# Altium PCB Austindetz_CM4_Board_v1.0.PcbDoc (part 1 of 6) (continued)
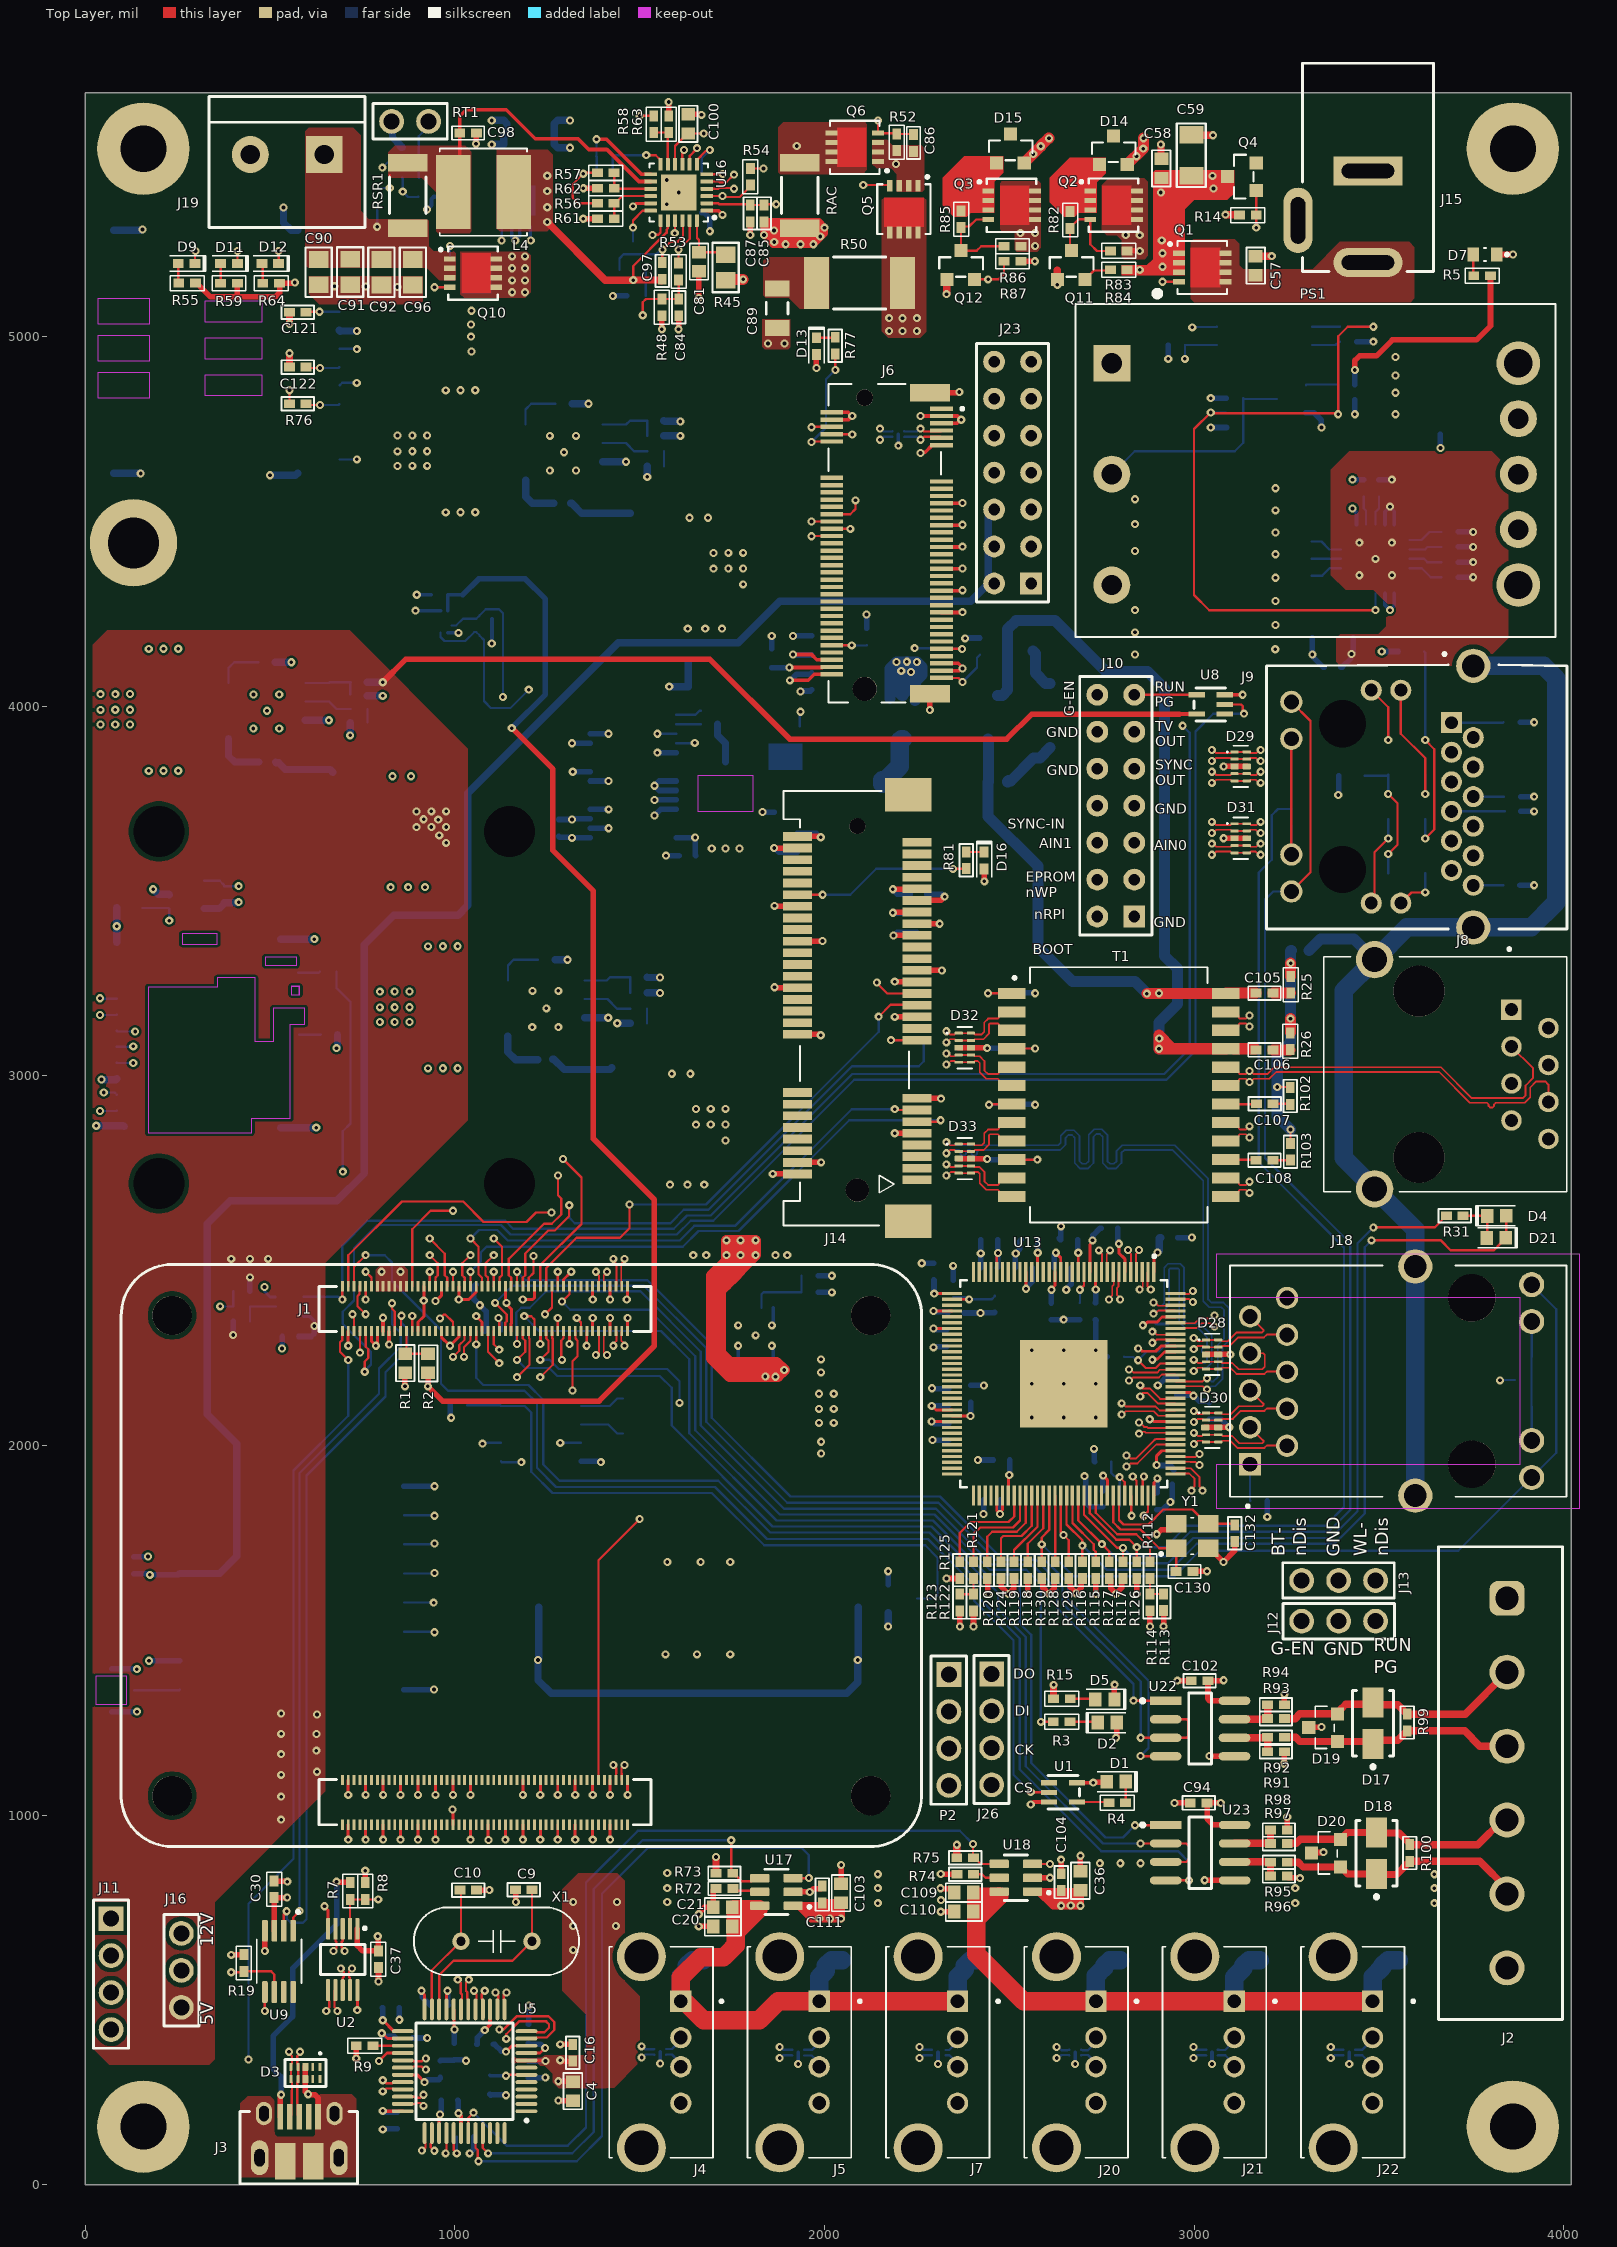
[diagram p0: Top Layer view]
## Components (designator, comment, footprint, x,y, rotation, side; value= is the part's Value field where it differs from the comment) (continued)
C140 "0.1uF" C-0402/1005#1 1279.91,3669.98 r90 bottom value=100nF
C141 "0.1uF" C-0402/1005#1 3859.91,3514.98 r180 bottom value=100nF
C142 "0.1uF" C-0402/1005#1 3862.24,3754.58 r180 bottom value=100nF
C143 "0.1uF" C-0402/1005#1 3860.63,3955.83 r180 bottom value=100nF
C144 "0.1uF" C-0402/1005#1 3862.24,3714.81 r180 bottom value=100nF
C145 "0.1uF" C-0402/1005#1 2501.05,3074.98 r0 bottom value=100nF
C146 "0.1uF" C-0402/1005#1 2509.91,2921.99 r180 bottom value=100nF
C147 "0.1uF" C-0402/1005#1 2507,2773.45 r0 bottom value=100nF
C148 "0.1uF" C-0402/1005#1 3175.91,1848.98 r180 bottom value=100nF
C149 "10uF" C-0805/2012 1842.48,2463.98 r0 bottom
C150 "10uF" C-0805/2012 1707.95,2464.98 r180 bottom
C151 "22uF" C-0805/2012 1939.91,2034.98 r270 bottom
C152 "22uF" C-0805/2012 1940.26,2169.98 r90 bottom
C153 "0.1uF" C-0402/1005#1 959.64,4300.59 r180 bottom value="0.1uF 16V"
CD1 "CD-MMBL110S" CD-MMBL110S 3575.13,3887.59 r180 bottom
CD2 "CD-MMBL110S" CD-MMBL110S 3575.13,3621.19 r180 bottom
Cff1 "Capacitor" C-0402/1005#1 1405.78,5487.49 r180 bottom value=22pF
Cttc "Capacitor" C-1206/3216 1669.91,5391.58 r270 bottom value=0.056uF
D1 "RED" LED-0603-RED 2788.97,1090.64 r0 top
D2 "GREEN" LED-0603-GREEN 2764.84,1250.7 r180 top
D3 "TPD4EUSB30" "10-USON (2.5X1)" 595.78,302.47 r270 top
D4 "YELLOW" LED-0603-RED 3818.75,2621.34 r180 top
D5 "GREEN" LED-0603-GREEN 2758.66,1312.97 r0 top
D6 "BAT54C-7-F" SOT-23-3#1 2249.98,1586.07 r90 bottom
D7 "LTST-C190GKT" LEDC1608X35N 3786.98,5222.23 r180 top
D8 "PTVS58VS1UR,115" DIO_PMEG4030ER,115 3374.91,4184.98 r180 bottom
D9 "LED" LED-0402-GREEN 273.46,5197.45 r0 top
D10 "BAT54" SOT-23-3#1 1481.76,5257.78 r180 bottom
D11 "LED" LED-0402-GREEN 388.32,5197.45 r0 top
D12 "LED" LED-0402-GREEN 499.86,5197.45 r0 top
D13 "GREEN" LED-0402-GREEN 1978.73,4973.61 r90 top
D14 "MMBD4148CC" SOT-23-3#1 2782.38,5543 r0 top
D15 "MMBD4148CC" SOT-23-3#1 2503.66,5547.94 r0 top
D16 "GREEN" LED-0402-GREEN 2432.27,3582.11 r90 top
D17 "SMAJ12CAHE3/5A" VISH-DO-214AC-2_L 3483.85,1248.77 r90 top
D18 "SMAJ12CAHE3/5A" VISH-DO-214AC-2_L 3493.16,897.22 r90 top
D19 "CDSOT23-SM712" SOT-23-3#2 3353.34,1237.4 r90 top
D20 "CDSOT23-SM712" SOT-23-3#2 3361.3,897.81 r90 top
D21 "GREEN" LED-0603-RED 3817.52,2561.85 r0 top
D25 "SMBJ58A-13-F" CR_SM12CA-13-F_DIO 1732.07,3763.35 r90 bottom
D26 "1SMB5933BT3G" ONSC-SMB-2-403A-03_H_V 2609.91,3974.98 r270 bottom
D27 "GREEN" LED-0603-Green 2469.91,3794.98 r180 bottom
D28 "TPD4EUSB30DQAR" IC_TPD4EUSB30DQAR#1 3048.68,2246.31 r0 top
D29 "TPD4EUSB30DQAR" IC_TPD4EUSB30DQAR#1 3125.99,3837.27 r0 top
D30 "TPD4EUSB30DQAR" IC_TPD4EUSB30DQAR#2 3048.91,2048.9 r0 top
D31 "TPD4EUSB30DQAR" IC_TPD4EUSB30DQAR#1 3125.99,3642.83 r0 top
D32 "TPD4EUSB30DQAR" IC_TPD4EUSB30DQAR#1 2379.59,3076.2 r0 top
D33 "TPD4EUSB30DQAR" IC_TPD4EUSB30DQAR#1 2379.59,2776.2 r0 top
F1 "C1S 1.5" C1_BEL 2099.91,3789.98 r0 bottom
FB1 "BLM21PG221SN1D" BEADC2012X105N 3586.86,4148.2 r180 bottom
FB2 "BLM21PG221SN1D" BEADC2012X105N 3426.87,3812.27 r180 bottom
FL1 "PCMF1USB3S" WLCSP5(2-1-2)_NEX 1555.31,359.39 r270 bottom
FL2 "PCMF1USB3S" WLCSP5(2-1-2)_NEX 2678.02,357.78 r270 bottom
FL3 "PCMF1USB3S" WLCSP5(2-1-2)_NEX 1928.7,357.78 r270 bottom
FL4 "PCMF1USB3S" WLCSP5(2-1-2)_NEX 3048.31,357.78 r270 bottom
FL5 "PCMF1USB3S" WLCSP5(2-1-2)_NEX 2199.91,4736.15 r270 bottom
FL8 "PCMF1USB3S" WLCSP5(2-1-2)_NEX 2307.14,357.78 r270 bottom
FL9 "PCMF1USB3S" WLCSP5(2-1-2)_NEX 3419.65,357.78 r270 bottom
J1 "DF40C-100DS-0.4V(51)" RPI-CM4 1179.91,1702.43 r270 top locked
J2 "691311500106" 691311500106 3828.82,1086.71 r270 top locked
J3 "10103594-0001LF" USB-micro 578.93,73.22 r0 top locked
J4 "UE27AE54100" AMPHENOL_UE27AE54100 1504.61,358.64 r270 top locked
J5 "UE27AE54100" AMPHENOL_UE27AE54100 1878.93,358.64 r270 top locked
J6 "2199230-3" TE_2199230-3 2108.85,4440.87 r270 top locked
J7 "UE27AE54100" AMPHENOL_UE27AE54100 2253.24,358.64 r270 top locked
J8 "A-2014-2S-4-N-R" ASSMANN_A-2014-2S-4-N-R 3608.47,3004.41 r90 top locked
J9 "V8BR-1AX1-GH" V8BR1AX1GH 3696.11,3955.46 r90 top locked
J10 "Header 2x7" "PIN HEADER 2X7 2.54MM" 2738.04,3431.11 r90 top locked
J11 "Header 1x4" "PIN HEADER 1X4 2.54MM" 69.93,619.99 r0 top locked
J12 "Header 1x3" "PIN HEADER 1X3 2.54MM" 3390.96,1524.85 r90 top value=51R
J13 "Header 1x3" "PIN HEADER 1X3 2.54MM" 3390.96,1634.85 r270 top value=51R
J14 "679105700" 679105700-A 2088.85,2691.17 r90 top locked
J15 "DCJ200-10-A-K1-K" GCT_DCJ200-10-A-XX-X_REVA 3470.14,5458.22 r180 top locked
J16 "Header 1x3" "PIN HEADER 1x3 2.54mm" 259.91,579.98 r180 top value=51R
J17 "SIM7100-6-1-15-00-A" GCT_SIM7100-6-1-15-00-A_REVC 364.27,4959.1 r90 bottom
J18 "V890-1AX1-A1" BEL_V890-1AX1-A1 3751.43,2174.38 r90 top locked
J19 "T-BLOCK-1x2" "Terminal Block-1x2-5.08mm" 646.58,5492.67 r180 top locked
J20 "UE27AE54100" AMPHENOL_UE27AE54100 2627.56,358.64 r270 top locked
J21 "UE27AE54100" AMPHENOL_UE27AE54100 3001.87,358.64 r270 top locked
J22 "UE27AE54100" AMPHENOL_UE27AE54100 3376.18,358.64 r270 top locked
J23 "Header 2x7" "PIN HEADER 2x7 2.54mm" 2458.85,4332.17 r90 top
J24 "5033981892" MOLEX-503398-1892 306.78,3114.93 r270 bottom
J25 "U.FL-R-SMT-1(10)" HRS_U.FL-R-SMT-1(10) 72.3,1337.88 r270 bottom
J26 "Header 1x4" "PIN HEADER 1x4 2.54mm" 2452.22,1281.96 r0 top locked
L1 "SRN6045TA-3R3Y" IND_SRN6045TA-3R3Y 669.91,3739.98 r90 bottom value=22uH
L2 "SRN6045TA-3R3Y" IND_SRN6045TA-3R3Y 1474.91,4439.98 r90 bottom value=22uH
L3 "SRN6045TA-3R3Y" IND_SRN6045TA-3R3Y 1424.91,2939.98 r90 bottom value=22uH
L4 "Inductor" IND_SRN6045TA-3R3Y 1077.32,5391.05 r180 top value=3.3uH
L5 "ACM7060-301-2PL-TL" IND_ACM7060_TDK 2339.91,3969.98 r0 bottom value=uH
L6 "SWPA3015S2R2MT" SWPA3015S2R2MT 1835.94,2104.98 r0 bottom value=2.2uH
P2 "MHDR1X4" "PIN HEADER 1x4 2.54mm" 2336.65,1280.32 r0 top locked
PS1 "ULS-12/5-D48N-C" CONV_ULS-12/5-D48N-C 3328.44,4637.88 r0 top locked
Q1 "DMP3013SFV-7" POWERDI3333-8_UX_DIO 3022.17,5187.03 r0 top
Q2 "DMT3009LFVWQ-7" POWERDI3333-8_UX_DIO 2782,5355.69 r0 top
Q3 "DMT3009LFVWQ-7" POWERDI3333-8_UX_DIO 2506.15,5355.42 r0 top
Q4 "MMBZ5242BLT3G" SOT-23-3#1 3090.14,5433.1 r90 top
Q5 "SI7617DN-T1-GE3" POWERDI3333-8_UX_DIO 2214.91,5344.98 r270 top
Q6 "SI7617DN-T1-GE3" POWERDI3333-8_UX_DIO 2081.91,5512.19 r180 top
Q7 "SIS412DN-T1-GE3" POWERDI3333-8_UX_DIO 1164.91,5359.98 r90 bottom
Q8 "SIS412DN-T1-GE3" POWERDI3333-8_UX_DIO 1049.91,5169.98 r0 bottom
Q9 "2N7002BK,215" NXP-SOT23_M 3263.03,4831.44 r180 bottom
Q10 "SI7617DN-T1-GE3" POWERDI3333-8_UX_DIO 1049.06,5172.04 r0 top
Q11 "MMBT2222LT1G" SOT-23-3#1 2668.26,5232.71 r0 top
Q12 "MMBT2222LT1G" SOT-23-3#1 2369.36,5232.71 r0 top
Q13 "FDMC3612" MLP8_3P3X3P3_ONS 1894.91,3884.98 r270 bottom value=100V
R1 "0R" R-0603/1608 864.25,2222.58 r270 top
R2 "DNP" R-0603/1608 925.76,2222.14 r270 top value=nf
R3 "1k" R-0402/1005 2642.24,1252.94 r180 top
R4 "1k" R-0402/1005 2792.6,1034.25 r180 top
R5 "24.9K" R-0402/1005 3779.91,5164.98 r180 top value="15k 1%"
R6 "24.9K" R-0402/1005 3458.17,4589.66 r90 bottom value="15k 1%"
R7 "2.2k 1%" R-0402/1005 717.26,793.94 r90 top
R8 "2.2k 1%" R-0402/1005 758.17,793.94 r90 top
R9 "" R-0402/1005 756.66,376.7 r180 top value=2.7K
R10 "63.4R" R-0402/1005 3499.49,4589.66 r90 bottom value="15k 1%"
R11 "1.2K" R-0402/1005 3691.29,4472.22 r0 bottom value="15k 1%"
R12 "10K" R-0402/1005 1959.91,2459.98 r0 bottom value=51R
R13 "20K" R-0402/1005 1959.91,2414.98 r0 bottom value=51R
R14 "12K" R-0402/1005 3144.58,5328.6 r0 top value=51R
R15 "330R" R-0402/1005 2643.05,1315.19 r180 top value=51R
R16 "510k 1%" R-0402/1005 422.04,2417.69 r0 bottom
R17 "510k 1%" R-0402/1005 423.61,2335.49 r180 bottom
R18 "0R" R-0402/1005 1028.6,129.98 r180 bottom value="2.2k 1%"
R19 "36K" R-0402/1005 429.03,600.89 r270 top value=51R
R20 "115k" R-0402/1005 741.34,4064.26 r180 bottom value=51R
R21 "47K" R-0402/1005 1543.67,4772.1 r180 bottom value=51R
R22 "15K" R-0402/1005 1542.1,4731.92 r0 bottom value=51R
R23 "2.49K" R-0402/1005 2690.91,2363.98 r270 bottom value=51R
R24 "15.8k" R-0402/1005 1542.1,4690.1 r0 bottom value=51R
R25 "75R" R-0402/1005 3261.74,3245.71 r90 top value=51R
R26 "75R" R-0402/1005 3260.39,3092.74 r90 top value=51R
R27 "15.8k" R-0402/1005 739.99,3992.94 r0 bottom value=51R
R28 "47K" R-0402/1005 1497.86,3266.55 r180 bottom value=51R
R29 "15K" R-0402/1005 1496.29,3224.98 r0 bottom value=51R
R30 "15.8k" R-0402/1005 1496.29,3182.19 r0 bottom value=51R
R31 "470R" R-0402/1005 3704.12,2621.06 r0 top value=51R
R32 "nf" R-0402/1005 1078.53,4200.03 r180 bottom value=1k
R33 "nf" R-0402/1005 1078.53,4236.24 r180 bottom value=1k
R34 "10K" R-0402/1005 3296.18,4398.77 r180 bottom value="15k 1%"
R35 "10K" R-0402/1005 3296.18,4352.61 r180 bottom value="15k 1%"
R37 "470K" R-0402/1005 3412.99,4869.75 r180 bottom value="15k 1%"
R38 "470K" R-0402/1005 3109.39,4834.22 r0 bottom value="15k 1%"
R39 "49.9K" R-0402/1005 3691.29,4431.51 r0 bottom value="15k 1%"
R40 "0R" R-0402/1005 3109.39,4793.65 r0 bottom value="15k 1%"
R41 "1.3K" R-0402/1005 3691.29,4390.54 r0 bottom value="15k 1%"
R42 "10K" R-0402/1005 3296.18,4444.93 r180 bottom value="15k 1%"
R43 "0R" R-0402/1005 3691.29,4349.6 r0 bottom value="15k 1%"
R44 "10K" R-0402/1005 3418.14,5026.32 r180 bottom value="15k 1%"
R45 "Resistor" R-0805/2012 1732.21,5187.47 r90 top value=10R
R46 "Resistor" R-0402/1005 878.97,5472.17 r0 bottom value=2.2K
R47 "Resistor" R-0402/1005 878.97,5431.37 r0 bottom value="10 ohm"
R48 "Resistor" R-0402/1005 1559.91,5079.98 r270 top value=100K
R49 "nf" R-0402/1005 658.97,3112.31 r0 bottom value=1k
R50 "RMCF2512JT2R00" FP-RMCF2512-IPC_A 2094.91,5144.98 r0 top
R51 "Resistor" R-0402/1005 880.55,5512.33 r180 bottom value=6.8K
R52 "Resistor" R-0402/1005 2194.95,5526.61 r270 top value=100k
R53 "Resistor" R-0402/1005 1605.66,5175.35 r90 top value=1K
R54 "1K" R-0402/1005 1799.36,5433.37 r270 top
R55 "Resistor" R-0402/1005 274.91,5144.59 r0 top value=10K
R56 "Resistor" R-0402/1005 1407.59,5360.63 r0 top value=100K
R57 "Resistor" R-0402/1005 1407.59,5442.51 r0 top value=100K
R58 "Resistor" R-0402/1005 1537.31,5575.5 r270 top value=100K
R59 "Resistor" R-0402/1005 388.32,5144.04 r0 top value=10K
R61 "Resistor" R-0402/1005 1409.16,5319.54 r180 top value=32.4K
R62 "Resistor" R-0402/1005 1409.16,5402.15 r180 top value=10K
R63 "Resistor" R-0402/1005 1578.88,5573.97 r90 top value=57K
R64 "Resistor" R-0402/1005 502.22,5144.04 r0 top value=10K
R65 "Resistor" R-0402/1005 1407.04,5443.35 r180 bottom value=500K
R66 "Resistor" R-1210 1204.91,5549.98 r180 bottom value=0R
R67 "Resistor" R-0402/1005 1407.04,5401.44 r0 bottom value=100K
R68 "0R" R-0402/1005 3418.14,4985.91 r180 bottom value="15k 1%"
R69 "0R" R-0402/1005 2951.65,4977.59 r0 bottom value="15k 1%"
R70 "100K" R-0402/1005 3411.41,4829.53 r0 bottom value="15k 1%"
R71 "100K" R-0402/1005 3110.96,4753.63 r180 bottom value="15k 1%"
R72 "15k 1%" R-0402/1005 1728.56,800.97 r0 top
R73 "10k" R-0402/1005 1729.91,843.34 r180 top value=1k
R74 "15k 1%" R-0402/1005 2379.91,839.31 r0 top
R75 "10k" R-0402/1005 2381.26,884.98 r180 top value=1k
R76 "15k" R-0402/1005 575.86,4818.99 r180 top value=51R
R77 "180R" R-0402/1005 2029.91,4974.98 r90 top value=51R
R78 "10k" R-0402/1005 2113.85,4187.17 r90 bottom value=51R
R79 "0R" R-0402/1005 2419.91,4161.35 r90 bottom value=51R
R80 "0R" R-0402/1005 2309.07,4155.89 r180 bottom value=51R
R81 "180R" R-0402/1005 2384.03,3582.67 r90 top value=51R
R82 "1K" R-0402/1005 2664.91,5314.98 r90 top
R83 "1K" R-0402/1005 2797.04,5232.42 r180 top
R84 "1K" R-0402/1005 2797.04,5181.24 r180 top
R85 "1K" R-0402/1005 2369.91,5317.03 r90 top
R86 "1K" R-0402/1005 2509.18,5245.07 r180 top
R87 "1K" R-0402/1005 2509.18,5204.67 r180 top
R88 "0R" R-0402/1005 2244.91,3096.72 r0 bottom value=51R
R89 "nf" R-0402/1005 656.56,3282.21 r0 bottom value=1k
R90 "12k 1%" R-0402/1005 374.91,3489.98 r90 bottom
R91 "4.7k" R-0402/1005 3220.66,1171.03 r0 top value=51R
R92 "56R" R-0402/1005 3220.66,1210.11 r0 top value=51R
R93 "56R" R-0402/1005 3220.66,1260.74 r0 top value=51R
R94 "4.7k" R-0402/1005 3220.66,1297.88 r0 top value=51R
R95 "4.7k" R-0402/1005 3228.61,834.73 r0 top value=51R
R96 "56R" R-0402/1005 3228.61,871.72 r0 top value=51R
R97 "56R" R-0402/1005 3228.61,922.5 r0 top value=51R
R98 "4.7k" R-0402/1005 3228.61,959.14 r0 top value=51R
R99 "120R" R-0402/1005 3576.91,1249.98 r90 top value=51R
R100 "120R" R-0402/1005 3583.91,896.98 r90 top value=51R
R101 "22.1k" R-0402/1005 739.99,4028.77 r0 bottom value=51R
R102 "75R" R-0402/1005 3260.86,2944.98 r90 top value=51R
R103 "75R" R-0402/1005 3261.39,2793.81 r90 top value=51R
R104 "470R" R-0402/1005 3263.04,3699.98 r270 bottom value=51R
R106 "470R" R-0402/1005 3889.57,2177.83 r0 bottom value=51R
R108 "2.2k" R-0402/1005 1103.3,2309.98 r0 bottom value=1k
R109 "2.2k" R-0402/1005 1079.91,2434.98 r0 bottom value=1k
R110 "0R" R-0402/1005 2929.91,2304.98 r90 bottom value=1k
R111 "0R" R-0402/1005 2347.83,2423.98 r90 bottom value=1k
R112 "4.7K" R-0402/1005 2879.91,1663.61 r270 top value=1k
R113 "0R" R-0402/1005 2916.83,1576.57 r270 top value=1k
R114 "DNP" R-0402/1005 2879.91,1576.31 r270 top value=1k
R115 "4.7K" R-0402/1005 2733.61,1663.61 r270 top value=1k
R116 "4.7K" R-0402/1005 2697.12,1663.61 r270 top value=1k
R117 "4.7K" R-0402/1005 2807.25,1663.61 r270 top value=1k
R118 "4.7K" R-0402/1005 2549.63,1663.61 r270 top value=1k
R119 "4.7K" R-0402/1005 2512.17,1663.61 r270 top value=1k
R120 "4.7K" R-0402/1005 2439.93,1663.61 r270 top value=1k
R121 "4.7K" R-0402/1005 2402.59,1663.61 r270 top value=1k
R122 "0R" R-0402/1005 2402.59,1576 r270 top value=1k
R123 "DNP" R-0402/1005 2365.64,1576 r270 top value=1k
R124 "4.7K" R-0402/1005 2476.89,1663.61 r270 top value=1k
R125 "4.7K" R-0402/1005 2365.64,1663.61 r270 top value=1k
R126 "4.7K" R-0402/1005 2844.27,1663.61 r270 top value=1k
R127 "4.7K" R-0402/1005 2770.04,1663.61 r270 top value=1k
R128 "4.7K" R-0402/1005 2623.69,1663.61 r270 top value=1k
R129 "4.7K" R-0402/1005 2660.46,1663.61 r270 top value=1k
R130 "4.7K" R-0402/1005 2586.94,1663.61 r270 top value=1k
R138 "10K" R-0402/1005 2753.92,1955.68 r180 bottom value=1k
R147 "47R" R-0402/1005 1687.18,3951.53 r0 bottom value=51R
R148 "7.5K" R-0805/2012 2529.64,4149.54 r180 bottom value=51R
R149 "22.1R" R-0402/1005 1686.81,3988.53 r0 bottom value=51R
R150 "CRM0805-FX-R510ELF" R-0805/2012 1665.74,4052.66 r0 bottom value=51R
R151 "CRM0805-FX-R510ELF" R-0805/2012 1665.74,4122.9 r0 bottom value=51R
RAC "WSL2010R0100FEA" RESC5125X89X51LL25T25 1933.25,5381.98 r270 top
RSR1 "WSL2010R0100FEA" RESC5125X89X51LL25T25 872.35,5382.3 r270 top
RT1 "Header 1x2" "PIN HEADER 1x2 2.54mm" 828.85,5582.17 r270 top value=51R
T1 "SM51625EL" XFMR_SM51625EL 2796.37,2948.45 r0 top locked
U1 "74LVC1G07SE-7" SOT-353 2645.33,1061.67 r0 top
U2 "FSUSB42MUX" 10-MSOP-W3.0MM 696.62,609.66 r270 top
U3 "TPS2372-3RGWR" QFN65P500X500X100-21N 3490.52,4398.77 r270 bottom
U4 "AP64501SP-13" FP-SO-8EP-IPC_A 491.66,3987.69 r0 bottom
U5 "FE2.1-CQFP48A" PCBComponent_1 1018.17,305.36 r90 top locked
U6 "PCF85063AT/AAZ" "SOIC-8 (W3.9MM)" 1232.39,2038.39 r180 bottom
U7 "74LVC1G07SE-7" SOT-353 553.01,2376.4 r0 bottom
U8 "74LVC1G07SE-7" SOT-353 3044.91,4004.98 r180 top
U9 "EMC2301-1-ACZL-TR" SOP65P490X110-8N 524.26,604.43 r270 top
U10 "AP64501SP-13" FP-SO-8EP-IPC_A 1295.26,4687.08 r0 bottom
U11 "AP64501SP-13" FP-SO-8EP-IPC_A 1247.46,3182.8 r0 bottom
U12 "ACPL-217-500E" AVAG-ACPL-217-4_M 3189.86,5002.11 r180 bottom
U13 "RTL8367RB-CG" LQFP128_EPAD_RTK 2647.06,2167.01 r270 top locked
U14 "ST1S10PUR" DFN8_4X4_STM 1813.7,2298.01 r270 bottom
U16 "BQ24616RGER" QFN50P400X400X100-25N 1605.66,5390.11 r180 top
U17 "AP22653W6-7" SOT-23-6 1869.96,792.25 r180 top
U18 "AP22653W6-7" SOT-23-6 2517.66,830.6 r180 top
U19 "RT9742GGJ5" SOT-23-5 274.35,3490.29 r0 bottom
U22 "MAX33072EASA+" FP-S8-4-IPC_B 3016.03,1234.32 r0 top
U23 "MAX33072EASA+" FP-S8-4-IPC_B 3016.34,898.53 r0 top
U24 "RFM95W-915S2" XCVR_RFM95W-915S2 559.03,1614.54 r180 bottom
U25 "TPS23861PW" PW0028A_N 1482.63,3810.55 r0 bottom
X1 "24Mhz" HC-49/US 1112.47,658.82 r0 top locked
X2 "32.768KHz" XTAL3215 1454.91,2079.98 r270 bottom
Y1 "ABM8G-25.000MHZ-4Y-T3" XTAL_ABM8G-25.000MHZ-4Y-T3 2994.91,1755.24 r90 top

## Footprints (in the part's own frame and the unit in brackets; to place one, negate y for a bottom-side part, rotate by r counter-clockwise, add the part's x,y. Pads: shape width x height; smd on the part's side, far side on the other; paste and mask are expansions set on the pad)
10-MSOP-W3.0MM [mm]
  rrect50% 1.5x0.28 smd: 1(-2.105,1) 2(-2.105,0.5) 3(-2.105,0) 4(-2.105,-0.5) 5(-2.105,-1) 6(2.105,-1) 7(2.105,-0.5) 8(2.105,0) 9(2.105,0.5) 10(2.105,1)
  silkscreen extent -2.24,-1.53 1.02,1.62, body extent -2.45,-1.5 2.45,1.5, height 1.15
"10-USON (2.5X1)" [mm]
  rrect50% 0.565x0.2 smd mask+0: 1(-0.417,1) 1(0.417,1) 2(-0.417,0.5) 2(0.417,0.5) 4(-0.417,-0.5) 4(0.417,-0.5) 5(-0.417,-1) 5(0.417,-1)
  rrect25% 0.565x0.4 smd paste-1 mask+0: 3(-0.417,0) 8(0.417,0)
  silkscreen extent -1.4,-1.42 0.92,1.42, body extent -0.5,-1.25 0.5,1.25, height 0.55
679105700-A [mm]
  rect 0.6x2 smd paste-2 mask+0: 1(0.7,-4.1) 2(1.1,4.1) 3(1.5,-4.1) 4(1.9,4.1) 5(2.3,-4.1) 6(2.7,4.1) 7(3.1,-4.1) 8(3.5,4.1) 9(3.9,-4.1) 10(4.3,4.1) 11(4.7,-4.1) 12(5.1,4.1) 13(5.5,-4.1) 14(5.9,4.1) 15(6.3,-4.1) 16(6.7,4.1) 17(10.3,-4.1) 18(10.7,4.1) 19(11.1,-4.1) 20(11.5,4.1) 21(11.9,-4.1) 22(12.3,4.1) 23(12.7,-4.1) 24(13.1,4.1) 25(13.5,-4.1) 26(13.9,4.1) 27(14.3,-4.1) 28(14.7,4.1) 29(15.1,-4.1) 30(15.5,4.1) 31(15.9,-4.1) 32(16.3,4.1) 33(16.7,-4.1) 34(17.1,4.1) 35(17.5,-4.1) 36(17.9,4.1) 37(18.3,-4.1) 38(18.7,4.1) 39(19.1,-4.1) 40(19.5,4.1) 41(19.9,-4.1) 42(20.3,4.1) 43(20.7,-4.1) 44(21.1,4.1) 45(21.5,-4.1) 46(21.9,4.1) 47(22.3,-4.1) 48(22.7,4.1) 49(23.1,-4.1) 50(23.5,4.1) 51(23.9,-4.1) 52(24.3,4.1)
  rect 2.3x3.2 smd paste-0.1 mask+0: M1(27.15,-3.5) M2(-2.15,-3.5)
  round 1.6 hole 1.6 unplated: ""(0,0)
  round 1.6 hole 3.5 unplated: ""(0.45,48) ""(0.45,23.9)
  round 1.1 hole 3.5 unplated: ""(24.65,23.9) ""(24.65,48)
  round 1.1 hole 1.1 unplated: ""(25,0)
  silkscreen extent -2.44,-3.56 27.43,5.08, body extent -2.53,-5.1 27.47,5.1, height 5.76
691311500106 [mm] "5,08mm - PCB Headers - Vertical - Closed ends -06p"
  rrect50% 2.4x2.4 hole 1.6: 1(-12.7,0.45)
  round 2.4 hole 1.6: 2(-7.62,0.45) 3(-2.54,0.45) 4(2.54,0.45) 5(7.62,0.45) 6(12.7,0.45)
  silkscreen extent -16.24,-4.25 16.24,4.25, body extent -16.24,-4.25 16.24,4.25, height 12.05
AMPHENOL_UE27AE54100 [mm]
  rect 1.458x1.458 hole 0.95: 1(-3.5,2.71)
  round 1.458 hole 0.95: 2(-1,2.71) 3(1,2.71) 4(3.5,2.71)
  round 3.366 hole 2.35: SH1(-6.57,0) SH2(6.57,0)
  silkscreen extent -7.25,-2.21 7.25,5.6, body extent -7.95,-2.2 7.95,4.92, height 14
ASSMANN_A-2014-2S-4-N-R [mm]
  rect 1.408x1.408 hole 0.9: 1(4.445,-6.35)
  round 1.408 hole 0.9: 2(3.175,-8.89) 3(1.905,-6.35) 4(0.635,-8.89) 5(-0.635,-6.35) 6(-1.905,-8.89) 7(-3.175,-6.35) 8(-4.445,-8.89)
  round 2.565 hole 1.71: 9(7.875,3.05) 10(-7.875,3.05)
  round 3.51 hole 3.51 unplated: ""(-5.715,0) ""(5.715,0)
  silkscreen extent -8.08,-10.15 8.7,6.55, body extent -8.1,-10.14 8.05,6.56, height 16.47
AVAG-ACPL-217-4_M [mm] "SOIC, 4-Leads, Body 4.6x2.9mm, Pitch 1.27mm, IPC Low Density"
  oval 1.95x0.65 smd: 1(-3.275,0.635) 2(-3.275,-0.635) 3(3.275,-0.635) 4(3.275,0.635)
  silkscreen extent -3.4,-1.45 1.9,1.63, body extent -3.5,-1.45 3.5,1.45, height 2.34
BEADC2012X105N [mm]
  rect 1.14x1.47 smd: 1(-0.89,0) 2(0.89,0)
BEL_V890-1AX1-A1 [mm]
  rect 1.53x1.53 hole 1.02: 1(-5.715,15.24)
  round 1.53 hole 1.02: 2(-3.175,15.24) 3(-0.635,15.24) 4(1.905,15.24) 5(4.445,15.24) 6(-4.445,12.7) 7(-1.905,12.7) 8(0.635,12.7) 9(3.175,12.7) 10(5.715,12.7)
  round 1.725 hole 1.15: 11(-6.625,-4.11) 12(-4.085,-4.11) 13(4.085,-4.11) 14(6.625,-4.11)
  round 2.355 hole 1.57: S1(-7.875,3.89) S2(7.875,3.89)
  round 3.25 hole 3.25 unplated: ""(-5.715,0) ""(5.715,0)
  Keep-Out Layer region: 8.765,-7.37 -8.765,-7.37 -8.765,17.52 -5.715,17.52 -5.715,-3.31 5.715,-3.31 5.715,17.52 8.765,17.52
  Keep-Out Layer region: 8.765,-7.37 -8.765,-7.37 -8.765,17.52 -5.715,17.52 -5.715,-3.31 5.715,-3.31 5.715,17.52 8.765,17.52
  silkscreen extent -8.7,-6.5 7.95,16.61, body extent -8.1,-6.5 8.1,16.61, height 16.78
C1_BEL [mil]
  rect 50x70 smd paste+0 mask+0: 1(-56,0) 2(56,0)
  silkscreen extent -19,-40 19,40, body extent -67,-35 67,35, height 31
C1206 [mm] "Chip Capacitor, Body 3.2x1.6mm, IPC High Density"
  rect 1.1x1.7 smd: 1(-1.35,0) 2(1.35,0)
  silkscreen extent -0.4,-0.75 0.4,0.75, body extent -1.7,-0.9 1.7,0.9, height 1.3
C-0402/1005#1 [mm] "Chip Capacitor, 2-Leads, Body 1.02x0.51mm, IPC Medium Density"
  rect 0.75x0.6 smd: 1(-0.55,0.022) 2(0.6,0.022)
  silkscreen extent -1.09,-0.44 1.14,0.49, body extent -0.48,-0.24 0.52,0.28, height 0.52
C-0402/1005#2 [mm] "Chip Capacitor, 2-Leads, Body 1.02x0.51mm, IPC Medium Density"
  rect 0.75x0.6 smd: 1(-0.58,-0.02) 2(0.57,-0.02)
  silkscreen extent -1.17,-0.54 1.16,0.49, body extent -0.51,-0.28 0.49,0.24, height 0.52
C-0603/1608 [mm] "Chip Capacitor, 2-Leads, Body 1.60x0.80mm, IPC Medium Density"
  rect 0.85x0.95 smd: 1(-0.667,0.005) 2(0.643,0.005)
  silkscreen extent -1.26,-0.63 1.23,0.64, body extent -0.8,-0.4 0.8,0.42, height 0.82
C-0805/2012 [mm] "Chip Capacitor, 2-Leads, Body 2.00x1.20mm, IPC Medium Density"
  rect 1.15x1.35 smd: 1(-0.883,-0.009) 2(0.867,-0.009)
  silkscreen extent -1.63,-0.86 1.62,0.84, body extent -1.02,-0.64 0.98,0.63, height 1.26
C-1206/3216 [mm] "Chip Capacitor, 2-Leads, Body 3.25x1.60mm, IPC Medium Density"
  rect 1.2x1.65 smd: 1(-1.373,0.055) 2(1.427,0.055)
  silkscreen extent -2.15,-0.94 2.2,1.06, body extent -1.59,-0.76 1.61,0.86, height 1.62
CAP-TAN-2312 [mm]
  rect 2.07x3.51 smd: +(-2.471,0) -(2.471,0)
  silkscreen extent -1.12,-1.75 1.12,1.75, body extent -3.13,-1.75 3.17,1.75, height 2.81
CD-MMBL110S [mm]
  rect 0.55x1.4 smd: 1(-1.27,1.85) 2(1.27,1.85) 3(-1.27,-1.85) 4(1.27,-1.85)
  silkscreen extent -1.78,-1.95 1.78,1.95, body extent -1.83,-2 1.83,2, height 0.5
CONV_ULS-12/5-D48N-C [mm]
  rect 2.54x2.54 hole 1.4: 1(-14,7.37)
  round 2.54 hole 1.4: 2(-14,-0.25) 3(-14,-7.87) 5(13.94,-4.06) 6(13.94,-0.25) 7(13.94,3.56)
  round 3 hole 1.956: 4(13.94,-7.87) 8(13.94,7.37)
  silkscreen extent -16.5,-11.45 16.5,12.36, body extent -16.47,-11.42 16.55,11.44, height 4.15
CR_SM12CA-13-F_DIO [mil]
  rect 74x89 smd paste+0 mask+0: 1(-87,0) 2(87,0)
  Keep-Out Layer region: -48,-75.5 -48,75.5 48,75.5 48,-75.5
  silkscreen extent -95,-82 95,82, body extent -110,-78 110,78, height 28
DFN8_4X4_STM [mil]
  rect 36x13 smd: 1(-74.5,47.24) 2(-74.5,15.75) 3(-74.5,-15.75) 4(-74.5,-47.24) 5(74.5,-47.24) 6(74.5,-15.75) 7(74.5,15.75) 8(74.5,47.24)
  rect 91x127 smd: 9(0,0)
  silkscreen extent -105,-86 86,86, body extent -81,-81 81,81, height 39
DIO_PMEG4030ER,115 [mm]
  rect 1.2x1.2 smd paste-0.05: 1(-1.4,0) 2(1.4,0)
  silkscreen extent -0.4,-0.85 2.42,0.85, body extent -1.75,-0.85 1.75,0.85, height 1.1
FP-KRM55W-6_1_5_3_6_7_1_2-MFG [mm]
  rect 2.7x5.6 smd paste+0 mask+0: 1(-2.65,0) 2(2.65,0)
  silkscreen extent -0.92,-2.75 0.92,2.75, body extent -3.05,-2.65 3.05,2.65, height 6.7
FP-RMCF2512-IPC_A [mil]
  rect 67.1x139.96 smd paste+0 mask+0: 1(-116.18,0) 2(116.18,0)
  silkscreen extent -71,-70 71,70, body extent -169,-90 169,90, height 10
FP-S8-4-IPC_B [mil]
  rect 85.59x22.32 smd paste+0 mask+0: 1(-93.15,75)
  rrect100% 85.59x22.32 smd paste+0 mask+0: 2(-93.15,25) 3(-93.15,-25) 4(-93.15,-75) 5(93.15,-75) 6(93.15,-25) 7(93.15,25) 8(93.15,75)
  silkscreen extent -161,-96 31,96, body extent -146,-106 146,106, height 10
FP-SO-8EP-IPC_A [mm]
  rect 1.93x0.612 smd paste+0 mask+0: 1(-2.641,1.905)
  rrect100% 1.93x0.612 smd paste+0 mask+0: 2(-2.641,0.635) 3(-2.641,-0.635) 4(-2.641,-1.905) 5(2.641,-1.905) 6(2.641,-0.635) 7(2.641,0.635) 8(2.641,1.905)
  rect 2.71x3.35 smd paste-1000 mask+0: 9(0,0)
  silkscreen extent -2.74,-2.45 1.3,2.83, body extent -3,-2.45 3,2.45, height 1.63
GCT_DCJ200-10-A-XX-X_REVA [mm]
  oval 4.75x2 hole 1 slot 3.6 at 0 deg: 1(0,6.55)
  rect 4.75x2 hole 1 slot 3.6 at 0 deg: 2(0,0.25)
  oval 2x4.5 hole 1 slot 3.2 at 90 deg: 2(4.8,3.65)
  silkscreen extent -4.5,-7.15 4.5,7.15, body extent -4.5,-7.13 5.05,7.17, height 11
GCT_SIM7100-6-1-15-00-A_REVC [mm]
  rect 0.9x1.35 smd: C1(2.755,8.215) C2(0.215,8.215) C3(-2.325,8.215) C5(1.485,8.215) C6(-1.055,8.215) C7(-3.595,8.215) CD(-7.405,8.215)
  rect 1.56x2.61 smd: SH(-8.34,-7.29) SH(-8.34,5.34) SH(8.34,-7.29) SH(8.34,5.34)
  Keep-Out Layer region: 3.475,-1.03 2.075,-1.03 2.075,2.91 3.475,2.91
  Keep-Out Layer region: 0.935,-1.03 -0.465,-1.03 -0.465,2.91 0.935,2.91
  Keep-Out Layer region: -1.605,-1.03 -3.005,-1.03 -3.005,2.91 -1.605,2.91
  Keep-Out Layer region: -1.455,-8.41 -3.155,-8.41 -3.155,-4.83 -1.455,-4.83
  Keep-Out Layer region: 1.085,-8.41 -0.615,-8.41 -0.615,-4.83 1.085,-4.83
  Keep-Out Layer region: 3.625,-8.41 1.925,-8.41 1.925,-4.83 3.625,-4.83
  silkscreen extent -7.88,-8.89 7.88,8.28, body extent -8.37,-8.92 8.37,8.41, height 1.5
HC-49/US [mm]
  round 1.2 hole 0.63: 1(-2.44,0) 2(2.44,0)
  silkscreen extent -5.68,-2.33 5.67,2.33, body extent -5.52,-2.3 5.53,2.35, height 3.5
HRS_U.FL-R-SMT-1(10) [mm]
  rect 1.05x2.2 smd: 1(-1.475,0) 3(1.475,0)
  rect 1x1.05 smd: 2(0,-1.525)
  Keep-Out Layer region: 0.95,-1 -0.95,-1 -0.95,1.1 0.95,1.1
  silkscreen extent -1.3,-1.3 1.3,1.3, body extent -1.5,-1.68 1.5,1.42, height 1.26
IC_TPD4EUSB30DQAR#1 [mm]
  rrect50% 0.565x0.2 smd mask+0: 1(-0.417,1) 2(-0.417,0.5) 4(-0.417,-0.5) 5(-0.417,-1) 6(0.417,-1) 7(0.417,-0.5) 9(0.417,0.5) 10(0.417,1)
  rrect25% 0.565x0.4 smd paste-1 mask+0: 3(-0.417,0) 8(0.417,0)
  silkscreen extent -0.95,-1.42 0.5,1.42, body extent -0.5,-1.25 0.5,1.25, height 0.5
IC_TPD4EUSB30DQAR#2 [mm]
  rrect50% 0.565x0.2 smd mask+0: 1(-0.417,1) 2(-0.417,0.5) 4(-0.417,-0.5) 5(-0.417,-1) 6(0.417,-1) 7(0.417,-0.5) 9(0.417,0.5) 10(0.417,1)
  rrect25% 0.565x0.4 smd paste-1 mask+0: 3(-0.481,0) 8(0.417,0)
  silkscreen extent -0.95,-1.42 0.5,1.42, body extent -0.5,-1.25 0.5,1.25, height 0.5
IND_ACM7060_TDK [mil]
  rect 98x59 smd paste-29.5 mask+0: 1(-127.95,59.06) 2(-127.95,-59.06) 3(127.95,-59.06) 4(127.95,59.06)
  silkscreen extent -214,-127 146,127, body extent -142,-122 142,122, height 39
IND_SRN6045TA-3R3Y [mm]
  rect 2.35x5.1 smd: 1(-2.075,0) 2(2.075,0)
  silkscreen extent -3,-3 3,3, body extent -3.43,-2.67 3.43,2.67, height 4.2
Keystone-3034 [mm]
  rect 1.5x6 smd: +(-10.985,0) +(10.985,0)
  rect 5x5 smd: -(0,0)
  silkscreen extent -10.67,-8.58 10.67,7.6, body extent -11.62,-8.73 11.62,7.75, height 4.05
LED-0402-GREEN [mm]
  rect 0.75x0.6 smd: 1(-0.556,0.014) 2(0.594,0.014)
  silkscreen extent -1.14,-0.51 1.33,0.53, body extent -0.5,-0.25 0.5,0.25, height 0.16
LED-0603-GREEN [mm] "Chip Resistor, 2-Leads, Body 1.60x0.80mm, IPC Medium Density"
  rect 0.85x0.95 smd: 1(-0.655,-0.005) 2(0.655,0.005)
  silkscreen extent -1.28,-0.68 1.44,0.69, body extent -0.8,-0.4 0.8,0.4, height 0.4
LED-0603-Green [mm] "Chip Resistor, 2-Leads, Body 1.60x0.80mm, IPC Medium Density"
  rect 0.85x0.95 smd: 1(-0.655,-0.005) 2(0.655,0.005)
  silkscreen extent -1.28,-0.68 1.44,0.69, body extent -0.8,-0.4 0.8,0.4, height 0.4
LED-0603-RED [mm] "Chip Resistor, 2-Leads, Body 1.60x0.80mm, IPC Medium Density"
  rect 0.85x0.95 smd: 1(-0.655,-0.005) 2(0.655,0.005)
  silkscreen extent -1.28,-0.68 1.44,0.69, body extent -0.8,-0.4 0.8,0.4, height 0.4
LEDC1608X35N [mm]
  rect 0.81x0.93 smd: A(0.81,0) C(-0.81,0)
  silkscreen extent -1.61,-0.45 0.09,0.45
LQFP128_EPAD_RTK [mil]
  rect 53.5x9 smd: 1(-302.25,244.09) 2(-302.25,228.35) 3(-302.25,212.6) 4(-302.25,196.85) 5(-302.25,181.1) 6(-302.25,165.35) 7(-302.25,149.61) 8(-302.25,133.86) 9(-302.25,118.11) 10(-302.25,102.36) 11(-302.25,86.61) 12(-302.25,70.87) 13(-302.25,55.12) 14(-302.25,39.37) 15(-302.25,23.62) 16(-302.25,7.87) 17(-302.25,-7.87) 18(-302.25,-23.62) 19(-302.25,-39.37) 20(-302.25,-55.12) 21(-302.25,-70.87) 22(-302.25,-86.61) 23(-302.25,-102.36) 24(-302.25,-118.11) 25(-302.25,-133.86) 26(-302.25,-149.61) 27(-302.25,-165.35) 28(-302.25,-181.1) 29(-302.25,-196.85) 30(-302.25,-212.6) 31(-302.25,-228.35) 32(-302.25,-244.09) 65(302.25,-244.09) 66(302.25,-228.35) 67(302.25,-212.6) 68(302.25,-196.85) 69(302.25,-181.1) 70(302.25,-165.35) 71(302.25,-149.61) 72(302.25,-133.86) 73(302.25,-118.11) 74(302.25,-102.36) 75(302.25,-86.61) 76(302.25,-70.87) 77(302.25,-55.12) 78(302.25,-39.37) 79(302.25,-23.62) 80(302.25,-7.87) 81(302.25,7.87) 82(302.25,23.62) 83(302.25,39.37) 84(302.25,55.12) 85(302.25,70.87) 86(302.25,86.61) 87(302.25,102.36) 88(302.25,118.11) 89(302.25,133.86) 90(302.25,149.61) 91(302.25,165.35) 92(302.25,181.1) 93(302.25,196.85) 94(302.25,212.6) 95(302.25,228.35) 96(302.25,244.09)
  rect 9x53.5 smd: 33(-244.09,-302.25) 34(-228.35,-302.25) 35(-212.6,-302.25) 36(-196.85,-302.25) 37(-181.1,-302.25) 38(-165.35,-302.25) 39(-149.61,-302.25) 40(-133.86,-302.25) 41(-118.11,-302.25) 42(-102.36,-302.25) 43(-86.61,-302.25) 44(-70.87,-302.25) 45(-55.12,-302.25) 46(-39.37,-302.25) 47(-23.62,-302.25) 48(-7.87,-302.25) 49(7.87,-302.25) 50(23.62,-302.25) 51(39.37,-302.25) 52(55.12,-302.25) 53(70.87,-302.25) 54(86.61,-302.25) 55(102.36,-302.25) 56(118.11,-302.25) 57(133.86,-302.25) 58(149.61,-302.25) 59(165.35,-302.25) 60(181.1,-302.25) 61(196.85,-302.25) 62(212.6,-302.25) 63(228.35,-302.25) 64(244.09,-302.25) 97(244.09,302.25) 98(228.35,302.25) 99(212.6,302.25) 100(196.85,302.25) 101(181.1,302.25) 102(165.35,302.25) 103(149.61,302.25) 104(133.86,302.25) 105(118.11,302.25) 106(102.36,302.25) 107(86.61,302.25) 108(70.87,302.25) 109(55.12,302.25) 110(39.37,302.25) 111(23.62,302.25) 112(7.87,302.25) 113(-7.87,302.25) 114(-23.62,302.25) 115(-39.37,302.25) 116(-55.12,302.25) 117(-70.87,302.25) 118(-86.61,302.25) 119(-102.36,302.25) 120(-118.11,302.25) 121(-133.86,302.25) 122(-149.61,302.25) 123(-165.35,302.25) 124(-181.1,302.25) 125(-196.85,302.25) 126(-212.6,302.25) 127(-228.35,302.25) 128(-244.09,302.25)
  rect 236x236 smd paste+0: EPAD(0,0)
  silkscreen extent -349,-280 280,280, body extent -280,-281 280,280, height 39
MLP8_3P3X3P3_ONS [mil]
  rect 34x14 smd paste+0 mask+0: 1(-61,-12.8) 1(-61,12.8) 1(-61,38.39) 4(-61,-38.39) 5(61,-38.39) 5(61,-12.8) 5(61,12.8) 5(61,38.39)
  Top Layer region: -13.85,-45.5 -13.85,45.5 57.15,45.5 57.15,-45.5
  silkscreen extent -91,-71 71,71, body extent -66,-66 66,66, height 32
MOLEX-503398-1892 [mm]
  rect 0.7x1.1 smd: 1(-2.38,5.625) 2(-1.28,5.625) 3(-0.18,5.625) 4(0.92,5.625) 5(2.02,5.625) 6(3.12,5.625) 7(4.22,5.625) 8(5.32,5.625)
  rect 0.9x0.93 smd: 9(-4.17,-6.84)
  rect 1.05x0.78 smd: 10(0.095,-6.915)
  rect 0.7x3.33 smd: SH(-6.48,-5.64) SH(6.48,-5.64)
  rect 1.14x1.83 smd: SH(-6.26,5.61)
  rect 0.86x2.8 smd: SH(6.4,5.125)
  Keep-Out Layer region: -6.13,-1.276 -6.836,-1.276 -6.836,1.125 -6.13,1.125
  Keep-Out Layer region: -2.67,-6.93 -3.223,-6.93 -3.223,-6.375 -2.67,-6.375
  Keep-Out Layer region: -4.685,-6.73 -5.239,-6.73 -5.239,-4.575 -4.685,-4.575
  Keep-Out Layer region: -2.67,-6.937 -3.225,-6.937 -3.225,-6.375 -2.67,-6.375
  Keep-Out Layer region: 6.827,-3.635 5.841,-3.635 5.841,-6.302 -0.636,-6.302 -0.636,-7.305 -1.73,-7.305 -1.73,-5.125 0.57,-5.125 0.57,-3.875 -3.82,-3.875 -3.82,-1.275 -3.17,-1.275 -3.17,3.477 6.827,3.477
  silkscreen extent -6.55,-7.02 6.55,7.02, body extent -6.55,-7.03 6.55,7.04, height 1.4
NXP-SOT23_M [mm] "SOT23, 3-Leads, Body 3x1.4mm, Pitch 0.95mm, IPC Low Density"
  rect 1.7x0.6 smd: 1(-1,0.95) 2(-1,-0.95) 3(1,0)
  silkscreen extent -1.13,-1.5 0.7,1.92, body extent -0.7,-1.5 0.7,1.5, height 1.1
ONSC-SMB-2-403A-03_H_V [mil] "Molded, 2-Leads, Body 4.6x3.95mm"
  rect 85x107.99 smd: 1(-87.01,0) 2(87.01,0)
  silkscreen extent -152,-79 91,79, body extent -91,-78 91,78, height 95